# Allegro board T736_DEMO_DBOARD_V0-5-draft.brd (continued)
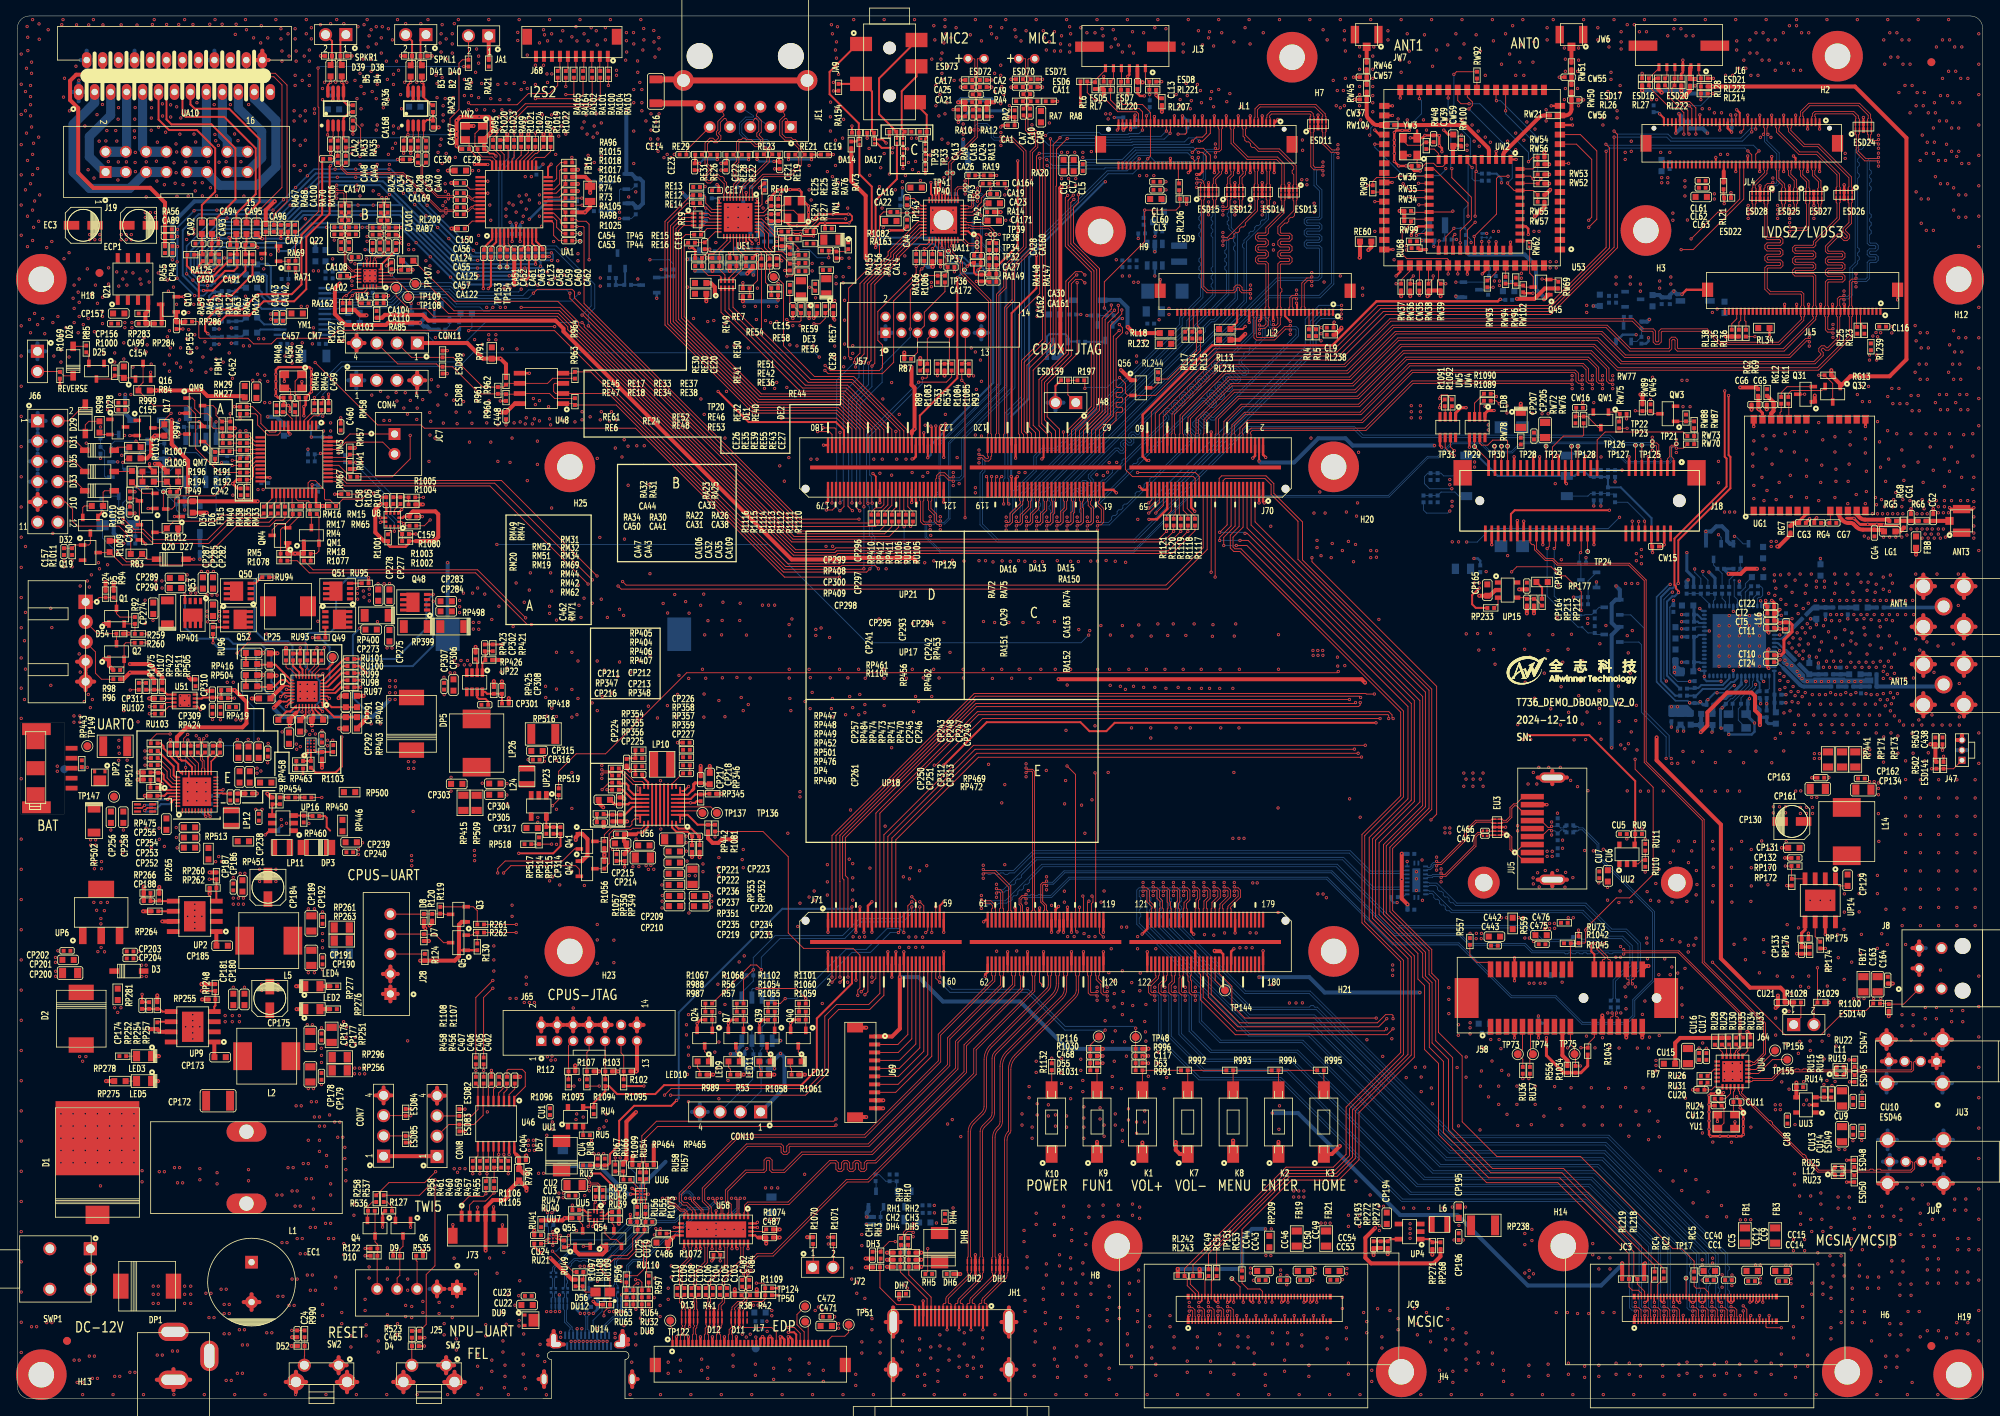
[diagram p0: board, top side]
## Copper pours and planes (outline as drawn; the poured copper is in the pictures) (continued)
VCC-3V3-PCIE on BOTTOM: 191.13,46.53 191.97,46.53 192.05,46.46 192.05,45.03 191.97,44.96 191.11,44.96 191.03,45.03 191.03,46.43
VCC-3V3-PCIE on BOTTOM: 193.14,53.57 194.21,53.57 194.28,53.49 194.28,51.97 194.23,51.92 193.12,51.92 193.04,51.99 193.04,53.47
VCC-3V3-PCIE on L4: 191.62,58.17 191.06,58.72 191.06,61.06 191.82,61.82 217.45,61.82 226.19,70.56 226.19,76.99 224.73,78.45 224.73,80.84 224.98,81.09 228.31,81.09 231.7,77.7 231.7,70.1 219.76,58.17
VCC-3V3-WIFI on TOP: 193.98,149.3 194.06,149.22 194.06,146.08 193.87,145.9 192.66,145.9 192.65,145.91 190,145.91 189.61,146.3 189.61,147.7 189.74,147.83 190.5,147.83 191.97,149.3
VCC-3V3-WIFI on TOP: 179.58,154.69 180.09,154.69 180.21,154.81 180.21,155.96 180.47,156.21 181.99,156.21 182.12,156.34 182.12,157.23 181.99,157.35 179.58,157.35 179.45,157.23 179.45,154.81
VCC-3V3-WIFI on BOTTOM: 185.42,145.41 185.17,145.67 184.91,145.67 184.53,146.05 184.53,147.32 184.66,147.45 191.01,147.45 191.39,147.07 191.39,145.54 191.26,145.41
VCC-3V3-WIFI on L4: 180.59,157.35 181.86,157.35 181.99,157.23 181.99,152.02 185.93,148.08 185.93,146.05 185.8,145.92 184.66,145.92 184.4,146.18 184.4,146.94 180.47,150.88 180.47,157.23
VCC-5V on TOP: 41.05,65.48 44.45,68.88 44.45,72.26 41.78,74.93 41.78,81.15 43.69,83.06 43.69,84.71 44.07,85.09 45.72,85.09 45.97,84.84 45.97,78.74 47.5,77.22 47.62,77.22 50.67,74.17 56.52,74.17 56.64,74.04 56.64,69.85 55.88,69.09 54.23,69.09 47.55,62.41 46.53,62.41 45.42,61.29 45.42,49.71 48.27,46.85 48.27,42.33 45.01,39.07 41.38,39.07 40.84,39.6 40.84,41.78 40.92,41.86 42.72,41.86 42.9,42.04 42.9,45.82 41.05,47.68 41.05,49.4 39.78,50.67 39.78,53.75 41.05,55.02
VCC-5V on TOP: 36.74,161.89 37.39,161.89 37.49,161.79 37.49,149.12 36.42,148.06 36.42,147.85 36.17,147.6 35.69,147.6 35.58,147.71 35.58,148.32 36.66,149.4 36.66,161.81
VCC-5V on TOP: 99.42,6.44 99.42,11.34 99.78,11.7 100.65,11.7 101.23,11.13 101.23,6.45 101.14,6.36 99.49,6.36
VCC-5V on TOP: 215.38,20.92 217.42,20.92 217.55,21.04 217.55,22.64 217.42,22.77 215.38,22.77 215.25,22.64 215.25,21.04
VCC-5V on TOP: 144.1,155.04 144.1,149.8 143.99,149.7 142.89,149.7 142.82,149.76 142.82,155.06 142.86,155.1 144.04,155.1
VCC-5V on TOP: 231.81,51.63 229.77,51.63 229.64,51.5 229.64,49.9 229.77,49.77 231.81,49.77 231.94,49.9 231.94,51.5
VCC-5V on TOP: 158.93,20.54 161.33,20.54 161.46,20.66 161.46,26.15 161.28,26.33 159.75,26.33 158.8,25.37 158.8,20.66
VCC-5V on TOP: 211.25,155.32 212.34,155.32 212.41,155.26 212.41,153.86 212.98,153.29 212.98,150.24 212.85,150.11 211.33,150.11 211.2,150.24 211.2,154.05 211.15,154.1 211.15,155.21
VCC-5V on TOP: 173.63,20.78 173.63,22.24 173.51,22.36 169.89,22.36 169.76,22.24 169.76,20.78 169.89,20.65 173.51,20.65
VCC-5V on TOP: 26.16,88.39 27.3,88.39 27.56,88.65 27.56,89.28 27.18,89.66 27.18,93.73 28.45,95 29.21,95 29.34,95.12 29.34,96.01 29.21,96.14 27.69,96.14 26.04,94.49 26.04,88.52
VCC-5V on TOP: 35.31,137.16 36.45,137.16 36.58,137.03 36.58,135 34.67,133.1 32.13,133.1 31.62,132.59 29.97,132.59 29.84,132.72 29.84,134.11 29.97,134.24 33.78,134.24 35.18,135.64 35.18,137.03
VCC-5V on TOP: 152.88,53.25 152.88,55.63 152.93,55.68 153.7,55.68 153.73,55.64 153.73,51.63 155.31,50.05 161.33,50.05 161.66,49.72 161.66,48.46 161.28,48.08 154.84,48.08 152.54,50.38 152.54,52.91
VCC-5V on BOTTOM: 29.97,133.1 30.99,133.1 31.11,132.97 31.11,130.3 29.34,128.52 29.34,123.55 30.73,122.15 30.73,116.46 29.34,115.06 29.34,95.12 29.21,95 28.45,95 28.32,95.12 28.32,115.82 29.59,117.09 29.59,121.56 28.32,122.83 28.32,129.16 29.84,130.68 29.84,132.97
VCC-5V on BOTTOM: 143.13,149.73 143,149.86 143,152.78 143.13,152.91 144.4,152.91 144.53,152.78 146.18,152.78 147.45,151.51 159,151.51 160.78,153.29 161.8,153.29 161.93,153.16 161.93,150.37 161.8,150.24 144.91,150.24 144.4,149.73
VCC-5V on BOTTOM: 36.79,162.08 39.2,162.08 39.31,161.98 39.31,160.92 39.24,160.86 36.77,160.86 36.68,160.95 36.68,161.96
VCC-5V on BOTTOM: 111.34,25.44 154.47,25.44 167.89,12.01 180.72,12.01 187.41,5.33 218.43,5.33 220.47,7.37 220.47,30.48 232.21,42.21 232.21,51.16 231.72,51.64 229.92,51.64 229.03,50.75 229.03,43.94 215.14,30.05 215.14,10.16 214.55,9.58 192.38,9.58 182.37,19.58 174.5,19.58 162.53,31.55 117.83,31.55 115.42,33.96 100.97,33.96 100.91,34.01 85.19,34.01 77.39,41.81 40.84,41.81 40.74,41.71 40.74,36.75 41.17,36.32 71.6,36.32 79.83,28.09 95.15,28.09 97.36,25.88 97.36,11.94 99.09,10.21 102.62,10.21 104.09,11.68 104.09,25.6 106.3,27.81 110.3,27.81 111.21,26.9 111.21,25.57
VCC-5V on L3: 45.72,84.2 44.07,84.2 42.67,85.6 30.35,85.6 27.69,88.27 26.04,88.27 25.78,88.52 25.78,90.17 25.91,90.3 44.32,90.3 45.85,88.77 45.85,84.33
VCC-5V on L3: 171.4,153.03 171.79,152.64 177.56,152.64 178.94,151.26 199.01,151.26 199.77,152.02 207.39,152.02 208.15,151.26 212.85,151.26 212.98,151.13 212.98,149.35 212.72,149.1 193.42,149.1 192.91,148.59 173.99,148.59 172.34,150.24 154.05,150.24 153.92,150.11 153.92,148.84 151.64,146.56 143.13,146.56 143,146.69 143,152.65 143.26,152.91 145.92,152.91 147.32,151.51 147.96,151.51 148.08,151.64 148.08,152.15 148.97,153.03
VCC-5V on L4: 161.8,56.9 163.09,58.19 163.09,61.75 161.8,63.04 161.8,111.02 162.79,112.01 162.79,115.7 161.8,116.69 161.8,124.54 163.86,126.59 163.86,134.59 163.68,134.77 163.68,138.15 163.4,138.43 163.4,143.69 161.8,145.29 161.8,153.03 161.67,153.16 159,153.16 158.5,152.65 158.5,136.47 159.97,135 159.97,130.58 158.5,129.11 158.5,121.92 157.23,120.65 157.23,116.33 158.5,115.06 158.5,24.89 158.62,24.77 161.67,24.77 161.8,24.89
VCC-5V on L4: 35.42,148.32 36.58,149.48 36.58,161.8 36.7,161.93 37.59,161.93 37.85,161.67 37.85,148.84 36.68,147.68 36.68,135.74 36.36,135.42 35.52,135.42 35.42,135.52
VCC-5V-COD on TOP: 31.62,135.64 34.67,135.64 34.8,135.76 34.8,136.65 34.67,136.78 31.62,136.78 31.5,136.65 31.5,135.76
VCC-5V-HDMI on TOP: 112.8,9.08 112.8,11.66 112.36,12.1 111.76,12.1 111.4,12.46 111.4,12.47 111.06,12.81 111.06,13.4 110.55,13.91 110.55,14.5 110.72,14.67 111.35,14.67 113.13,12.89 113.13,9.09 113.06,9.02 112.86,9.02
VCC-5V-HDMI on BOTTOM: 109.47,19.39 112.89,19.39 113.68,18.61 113.68,18.25 112.56,17.13 112.56,13.58 112.1,13.12 109.84,13.12 109.49,13.47 109.49,17.45 108.74,18.2 108.74,18.66
VCC-5V-ONBOARD on TOP: 41.36,77.57 41.36,72.3 41.17,72.11 39.84,72.11 39.56,72.39 39.56,74.51 38.14,75.93 31.9,75.93 31.37,76.45 31.37,77.47 31.62,77.72 41.21,77.72
VCC-5V-SPA on BOTTOM: 40.01,164.47 40.64,164.47 40.77,164.34 40.77,162.31 41.78,161.29 49.91,161.29 50.04,161.42 50.04,163.83 50.16,163.96 50.8,163.96 51.18,163.58 51.18,160.91 50.42,160.15 40.51,160.15 39.88,160.78 39.88,164.34
VCC-5V-USB on TOP: 194.12,79.65 190.45,79.65 184.68,73.89 181.36,73.89 180.29,72.82 180.29,70.89 179.88,70.48 178.59,70.48 178.18,70.89 178.18,74.3 179.88,76 183.79,76 189.48,81.69 194.96,81.69 201.17,75.48 201.17,68.94 201.02,68.78 199.31,68.78 198.86,69.24 198.86,74.92
VCC-5V-USB on TOP: 222.88,37.06 223.32,36.63 223.32,35.18 223.19,35.05 220.47,35.05 219.96,35.56 219.96,36.93 220.09,37.06
VCC-5V-USB on TOP: 69.48,36.12 66.31,36.12 65.86,36.56 65.86,42.81 66.28,43.23 67.78,43.23 68.07,42.94 68.07,38.44 68.64,37.87 69.47,37.87 69.6,37.74 69.6,36.23
VCC-5V-USB on TOP: 42.47,42.11 40.94,42.11 40.82,42.24 40.82,45.67 40.94,45.8 42.47,45.8 42.6,45.67 42.6,42.24
VCC-5V-USB on BOTTOM: 176.5,68.35 175.77,69.09 126.75,69.09 125.6,67.94 101.9,67.94 81.94,47.98 81.94,42.95 81.14,42.15 40.88,42.15 40.74,42.29 40.74,45.75 40.89,45.9 41.58,45.9 41.88,46.2 41.88,47.17 40.74,48.31 40.74,57.89 41.25,58.39 44.78,58.39 45.34,57.84 45.34,49.89 47.55,47.68 56.77,47.68 61.54,52.45 78.61,52.45 97.03,70.87 125.6,70.87 127.13,72.39 178.21,72.39 178.71,71.88 179.76,71.88 180.9,70.74 180.9,69.01 180.24,68.35
VCC-5V-USB on L4: 188.47,29.06 176.81,40.72 176.81,53.09 179.71,55.98 179.71,68.1 177.83,69.98 177.83,71.2 178.41,71.78 179.83,71.78 181.53,70.08 181.53,54.2 178.94,51.61 178.94,42.21 189.36,31.8 216.13,31.8 219.66,35.33 219.66,36.8 219.96,37.11 221.44,37.11 221.72,36.83 221.72,33.27 217.5,29.06
VCC-12V-PCIE on TOP: 184.02,45.11 184.02,52.32 184.15,52.45 185.04,52.45 185.17,52.58 185.17,58.8 185.67,59.31 187.83,59.31 187.96,59.18 187.96,57.53 186.9,56.48 186.9,44.89 186.79,44.78 184.35,44.78
VCC-12V-PCIE on BOTTOM: 186.21,44.81 186.11,44.7 184.28,44.7 184.07,44.91 184.07,47.55 184.4,47.88 185.93,47.88 186.21,47.6
VCC-DSP-3V3 on TOP: 56.13,153.29 55.5,153.29 55.37,153.42 55.37,154.31 55.5,154.43 58.29,154.43 59.69,153.03 59.69,152.4 59.18,151.89 56.9,151.89 56.39,152.4 56.39,153.03
VCC-DSP-3V3 on TOP: 64.52,153.67 64.77,153.92 64.77,155.07 64.9,155.19 65.2,155.19 65.42,154.98 65.42,153.56 64.52,152.65 63.37,152.65 63.12,152.91 63.12,153.29 63.5,153.67
VCC-DSP-3V3 on BOTTOM: 74.3,143.13 75.44,143.13 75.56,143.26 75.56,144.02 74.8,144.78 74.8,146.18 72.52,148.46 72.52,153.29 72.14,153.67 63.25,153.67 63.12,153.54 63.12,152.65 63.25,152.53 71.25,152.53 71.5,152.27 71.5,147.45 73.28,145.67 73.28,144.15
VCC-DSP-3V3 on L3: 56.77,154.31 64.52,154.31 64.9,153.92 64.9,153.16 64.52,152.78 56.9,152.78 56.64,153.03 56.64,154.18
VCC-IO on TOP: 114.35,140.23 115.54,140.23 115.62,140.16 115.62,139.04 115.52,138.94 114.38,138.94 114.27,139.04 114.27,140.16
VCC-IO on TOP: 115.87,22.89 117.36,22.89 117.49,23.01 117.49,24 117.36,24.13 115.87,24.13 115.75,24 115.75,23.01
VCC-IO on TOP: 107.09,142.77 107.09,142.49 106.58,141.99 106.22,141.99 106.02,142.19 106.02,143.31 106.07,143.36 106.5,143.36
VCC-IO on TOP: 108.23,148.03 109.07,148.03 109.09,148.01 109.09,146.66 108.94,146.51 108.94,146.2 108.69,145.95 108.28,145.95 108.2,146.02 108.2,148.01
VCC-IO on L3: 116.59,132.28 120.09,128.78 120.09,127.74 120.02,127.66 118.75,127.66 118.59,127.81 118.54,127.81 118.41,127.94 115.87,127.94 113.82,130 112.34,130 111.76,130.58 104.34,130.58 104.29,130.63 104.29,132.21 104.37,132.28
VCC-IO on L3: 138.1,59.64 145.16,59.64 149.12,55.68 150.22,55.68 151.46,56.92 152.6,56.92 152.81,56.72 152.81,55.96 152.65,55.8 152.02,55.8 150.8,54.58 148.67,54.58 144.68,58.57 138.35,58.57 138,58.93 138,59.54
VCC-IO on L3: 120.27,114.81 118.75,114.81 117.98,114.05 99.95,114.05 95.12,109.22 64.14,109.22 59.94,105.03 57.91,105.03 57.34,104.46 33.34,104.46 32.89,104.9 29.59,104.9 29.54,104.85 16.33,104.85 10.16,98.68 10.16,92.46 10.54,92.08 11.81,92.08 12.32,92.58 12.32,98.04 17.68,103.4 22.2,103.4 22.56,103.05 25.7,103.05 26.06,103.4 32.74,103.4 33.59,102.55 57.09,102.55 58.42,103.89 60.58,103.89 64.77,108.08 95.76,108.08 100.58,112.9 118.49,112.9 118.87,113.28 120.27,113.28 120.4,113.41 120.4,114.68
VCC-IO on L3: 107.26,142.04 108.84,140.46 114.5,140.46 114.81,140.16 114.81,139.14 114.76,139.09 114.35,139.09 114.15,139.29 107.9,139.29 106.07,141.12 106.07,142.67 106.25,142.85 107.11,142.85 107.26,142.7
VCC-IO on L4: 116.71,22.94 116.66,22.99 116.66,33.66 119.08,36.07 119.08,115.37 118.24,116.2 118.24,123.19 118.87,123.83 118.87,128.4 119,128.52 119.94,128.52 119.99,128.47 119.99,128.09 119.89,127.99 119.89,123.19 119.25,122.56 119.25,116.84 120.17,115.93 120.17,59.92 120.7,59.39 123.52,59.39 124.46,60.33 138.46,60.33 139.22,59.57 139.22,58.93 139.12,58.83 138,58.83 137.54,59.28 125.63,59.28 124.64,58.29 120.6,58.29 120.17,57.86 120.17,35.61 117.73,33.17 117.73,23.01 117.65,22.94
VCC-IO on L4: 103.99,130.71 104.95,130.71 105.08,130.84 105.08,139.22 107.09,141.22 107.09,144.17 107.39,144.48 107.57,144.48 108.86,145.77 108.86,147.19 108.76,147.29 107.72,147.29 107.54,147.12 107.54,145.9 106.1,144.45 106.1,142.14 103.94,139.98 103.94,130.76
VCC-LCD on TOP: 145.52,131.37 146.02,131.88 146.02,133.12 146.15,133.25 147.37,133.25 147.5,133.12 147.5,131.42 144.85,128.77 144.5,128.4 139.98,128.4 139.57,128.8 139.57,131.06 139.88,131.37
VCC-LCD on TOP: 164.47,134.92 164.39,134.85 164.39,132.44 164.31,132.36 161.52,132.36 161.42,132.46 161.42,133.35 161.54,133.48 163.07,133.48 163.09,133.5 163.09,134.55 163.16,134.61 163.16,136.62 163.18,136.64 164.44,136.64 164.47,136.61
VCC-LCD on L3: 163.58,129.01 163.83,129.26 163.83,134.39 163.63,134.59 162.69,134.59 162.53,134.44 162.53,131.57 162.03,131.06 139.95,131.06 139.8,130.91 139.8,129.21 140,129.01
VCC-LCD1 on TOP: 231.78,136.78 233.01,136.78 233.08,136.7 233.08,135.72 233.55,135.25 233.55,132.42 233.15,132.02 230.44,132.02 230.14,132.32 230.14,133.68 230.21,133.76 231.65,133.76 231.72,133.83 231.72,136.72
VCC-LCD1 on BOTTOM: 201.22,101.37 204.57,101.37 212.37,109.17 212.37,126.59 212.34,126.62 212.34,128.14 219.33,135.13 228.73,135.13 231.01,132.84 233.81,132.84 234.19,133.22 234.19,136.53 233.81,136.91 217.04,136.91 209.69,129.55 209.69,109.84 203.58,103.73 201.47,103.73 200.76,103.02 200.76,101.83
VCC-LCD1 on BOTTOM: 93.22,24.77 95.76,24.77 96.01,25.02 96.01,26.54 95.76,26.8 93.22,26.8 92.96,26.54 92.96,25.02
VCC-LCD1 on L3: 92.34,101.69 93.19,102.54 177.09,102.54 178.28,101.35 189.41,101.35 190.6,102.54 203.23,102.54 203.96,101.8 203.96,100.18 203.94,100.15 203.94,98.5 203.53,98.09 192.05,98.09 190.88,96.93 177.98,96.93 176.81,98.09 92.63,98.09 92.34,98.39
VCC-LCD1 on L4: 92.71,25.78 95.5,25.78 95.63,25.91 95.63,29.72 98.17,32.26 98.17,38.61 95.63,41.15 95.63,99.77 95.3,100.1 92.98,100.1 92.58,99.71 92.58,39.88 94.36,38.1 94.36,33.66 92.58,31.88 92.58,25.91
VCC-LCD-EDP on TOP: 90.42,6.45 90.42,8.2 90.59,8.37 92.08,8.37 92.21,8.23 92.21,6.46 92.09,6.34 90.54,6.34
VCC-LCD-EDP on BOTTOM: 93.27,23.83 95.71,23.83 95.91,23.62 95.91,22.17 95.55,21.82 93.62,21.82 93.04,22.4 93.04,23.6
VCC-LCD-EDP on BOTTOM: 91.82,7.52 90.81,7.52 89.69,8.64 89.69,10.08 91.8,12.19 93.47,12.19 93.65,12.01 93.65,11.51 93.47,11.33 92.89,11.33 92.74,11.18 92.74,8.43
VCC-LCD-EDP on L4: 88.32,17.93 81.94,17.93 81.11,18.76 81.11,22.87 82.22,23.98 94.61,23.98 95.66,22.94 95.66,21.95 95.17,21.46 95.17,19.94 95.66,19.46 95.66,13.69 93.41,11.44 90.97,11.44 88.85,13.56 88.85,17.4
VCC-LTE18 on TOP: 191.39,102.87 192.91,102.87 194.31,101.47 194.31,99.57 195.45,98.42 196.98,98.42 197.36,98.04 197.36,97.03 197.1,96.77 195.07,96.77 194.31,97.54 192.28,97.54 191.52,98.3 191.52,101.6 191.26,101.85 191.26,102.74
VCC-LTE18 on TOP: 185.55,122.68 184.91,122.68 184.4,122.17 182.37,122.17 182.12,122.43 182.12,123.7 181.99,123.83 181.74,123.83 181.61,123.7 181.61,122.56 181.36,122.3 178.56,122.3 178.44,122.43 178.44,123.77 178.41,123.8 177.95,123.8 177.93,123.77 177.93,121.28 178.05,121.16 179.71,121.16 179.83,121.03 179.83,119.63 180.21,119.25 180.72,119.25 180.85,119.38 180.85,121.03 181.1,121.28 183.51,121.28 183.64,121.16 183.64,119.89 183.77,119.76 184.02,119.76 185.04,120.78 185.55,120.78 185.67,120.9 185.67,122.56
VCC-LTE18 on BOTTOM: 196.34,96.77 196.34,97.92 196.6,98.17 197.99,98.17 198.12,98.04 198.12,96.65 197.99,96.52 196.6,96.52
VCC-LTE18 on L4: 187.2,122.56 187.32,122.43 187.32,109.73 193.42,103.63 193.42,97.16 193.17,96.9 190.5,96.9 190.12,97.28 190.12,103.25 184.53,108.84 184.53,120.65 183.9,121.28 183.9,122.3 184.15,122.56
VCC-MCU on TOP: 29.21,113.54 29.34,113.67 29.34,114.81 29.67,115.14 30.98,115.14 31.1,115.02 31.1,113.12 30.91,112.93 26.73,112.93 26.66,113 26.66,113.42 26.77,113.54
VCC-MCU on TOP: 27.97,126.11 31.62,126.11 32.75,124.98 32.75,124.27 32.66,124.18 32.05,124.18 31.99,124.12 31.99,123.42 32.16,123.25 33.48,123.25 33.66,123.08 33.66,122.78 33.59,122.72 33.59,121.4 33.55,121.36 33.29,121.36 33.25,121.4 33.25,122.65 33.19,122.72 31.2,122.72 30.73,123.19 30.73,124.71 30.61,124.84 27.97,124.84 27.74,125.07 27.74,125.88
VCC-MCU on TOP: 37.34,122.68 38.23,122.68 38.61,123.06 38.61,124.08 38.73,124.21 39.75,124.21 40.01,123.95 40.01,121.92 40.26,121.67 40.89,121.67 41.02,121.54 41.02,120.78 40.89,120.65 40.01,120.65 39.67,120.32 38.3,120.32 37.25,121.37 37.25,122.59
VCC-MCU on BOTTOM: 29.97,115.04 30.81,115.04 30.86,114.99 30.86,114.25 31.01,114.1 31.01,113.67 30.99,113.64 29.95,113.64 29.9,113.69 29.9,114.96
VCC-MCU on BOTTOM: 12.32,108.46 14.1,108.46 14.22,108.33 14.22,106.81 14.1,106.68 12.32,106.68 12.19,106.81 12.19,108.33
VCC-MCU on BOTTOM: 42.89,111.34 42.89,116.1 42.39,116.6 40.36,116.6 39.9,117.06 39.9,118.71 40.03,118.83 42.51,118.83 43.76,120.09 43.76,128.68 43.51,128.93 40.97,128.93 39.4,127.36 39.4,123.57 38.53,122.71 34.72,122.71 32.23,125.2 31,125.2 30.75,124.94 30.75,122.75 32.3,121.2 32.3,112.7 39.92,105.08 77.27,105.08 77.29,105.11 93.55,105.11 105.82,92.84 160.12,92.84 161.9,94.61 164.97,94.61 180.85,110.49 188.98,110.49 193.04,114.55 193.04,114.94 192.91,115.06 192.02,115.06 188.47,111.51 180.09,111.51 164.31,95.73 161.39,95.73 159.59,93.93 106.54,93.93 93.98,106.49 56.83,106.49 51.02,112.31 50.36,112.31 49,110.95 49,108.55 48.63,108.18 46.05,108.18
VCC-MCU on L3: 12.29,108.41 21.42,108.41 26.59,113.58 28.59,113.58 28.83,113.33 38.73,113.33 39.1,112.97 39.1,111.35 38.85,111.1 27.38,111.1 22.95,106.67 17.11,106.67 16.69,106.25 12.28,106.25 11.81,106.72 11.81,107.92
VCC-MCU on L4: 203.07,126.11 203.45,126.11 203.58,125.98 203.58,125.22 202.06,123.7 198.5,123.7 193.55,118.75 193.55,117.73 193.29,117.47 193.29,114.55 193.04,114.3 192.28,114.3 192.02,114.55 192.02,118.62 197.87,124.46 201.42,124.46
VCC-PE on TOP: 155.82,19.96 157.33,19.96 157.45,20.09 157.45,21.62 157.33,21.74 155.82,21.74 155.69,21.62 155.69,20.09
VCC-PE on L4: 155.83,20.65 157.43,20.65 157.56,20.78 157.56,112.83 156.46,113.92 155.45,113.92 155.07,113.54 155.07,111.38 155.7,110.74 155.7,20.78
VCC-PH on L4: 111.76,129.03 112.6,129.03 112.85,129.29 112.85,132.26 114.2,133.6 114.2,140.97 114.96,141.73 114.96,141.99 114.73,142.21 113.67,142.21 113.39,141.94 113.39,141.2 111.38,139.19 111.38,132.69 111.71,132.36 111.71,129.08
VCC-RTC-IC on BOTTOM: 19.68,112.65 21.34,112.65 22.48,111.51 23.24,111.51 23.37,111.63 23.37,113.67 23.11,113.92 21.97,113.92 21.72,114.17 21.72,115.7 21.59,115.82 20.07,115.82 19.94,115.7 19.94,114.81 19.43,114.3 19.43,112.9
VCC-SYS-5V on TOP: 57,74.19 56.87,74.07 56.87,64.8 57.91,63.75 67.31,63.75 67.56,64.01 67.56,65.53 67.18,65.91 65.79,65.91 65.41,65.53 59.94,65.53 59.61,65.86 59.61,67.69 61.09,69.16 63.73,69.16 63.8,69.24 63.8,69.82 64.16,70.18 64.16,71.81 64.67,72.31 64.67,73.56 64.03,74.19
VCC-SYS-5V on TOP: 38.84,46.08 41.38,46.08 41.58,46.28 41.58,46.84 40.77,47.65 40.77,48.84 40.44,49.17 39.85,49.17 39.78,49.1 39.78,47.9 39.6,47.73 38.84,47.73 38.71,47.6 38.71,46.2
VCC-SYS-5V on TOP: 155.07,53.09 154.05,53.09 153.92,53.21 153.92,55.63 153.8,55.75 153.03,55.75 152.91,55.88 152.91,56.64 153.03,56.77 154.81,56.77 155.19,56.39 155.19,53.21
VCC-SYS-5V on TOP: 25.78,66.8 26.04,67.06 26.04,68.07 25.91,68.2 23.62,68.2 23.5,68.07 23.5,67.02 23.71,66.8
VCC-SYS-5V on BOTTOM: 38.63,46.08 41.27,46.08 41.5,46.3 41.5,47.04 40.94,47.6 38.68,47.6 38.61,47.52 38.61,46.1
VCC-SYS-5V on L3: 154.05,70.61 154.31,70.36 154.31,68.96 153.8,68.45 100.71,68.45 89.92,57.66 79.88,57.66 73.79,63.75 66.04,63.75 65.79,64.01 65.79,65.53 66.04,65.79 75.31,65.79 81.53,59.56 88.65,59.56 99.69,70.61
VCC-SYS-5V on L3: 49.4,68.45 56.39,68.45 56.9,68.96 58.29,68.96 58.55,68.71 58.55,66.55 58.29,66.29 49.28,66.29 49.15,66.42 49.15,68.2
VCC-SYS-5V on L4: 154.94,56.01 152.91,56.01 152.78,56.13 152.78,69.47 152.4,69.85 152.15,69.85 152.02,69.98 152.02,70.48 152.15,70.61 154.18,70.61 154.31,70.48 154.31,59.18 154.05,58.93 154.05,57.53 154.56,57.02 154.81,57.02 155.07,56.77 155.07,56.13
VCC-SYS-5V on L4: 24.21,68.41 41.34,68.41 41.35,68.4 49.83,68.4 50.04,68.2 50.04,65.53 48.26,63.75 42.8,63.75 42.29,63.25 42.29,46.51 41.64,45.86 40.21,45.86 39.67,46.39 39.67,64.02 37.24,66.46 24.37,66.46 23.88,66.95 23.88,68.08
VCCA-DSP-3V3 on BOTTOM: 61.59,146.3 65.53,146.3 68.45,149.22 71.12,149.22 71.37,148.97 71.37,148.46 71.25,148.34 69.6,148.34 65.91,144.65 61.59,144.65 61.47,144.78 61.47,146.18
VCCIO-CAM on TOP: 212.55,12.46 212.55,13.26 212.12,13.69 212.12,17.75 212.24,17.88 213.06,17.88 213.19,17.75 213.19,13.65 212.75,13.21 212.75,12.45 212.72,12.42 212.59,12.42
VCCIO-CAM on TOP: 156.67,12.45 156.67,13.64 156.11,14.2 156.11,19.23 156.31,19.43 157.25,19.43 157.51,19.18 157.51,15.6 157.12,15.21 157.12,13.64 156.87,13.39 156.87,12.45 156.84,12.42 156.69,12.42
VCCIO-CAM on L3: 184.2,17.02 189.66,22.48 196.01,22.48 201.75,16.74 213.59,16.74 213.72,16.87 213.72,20.12 213.59,20.24 205.18,20.24 198.53,26.9 187.15,26.9 183.64,23.39 170.43,23.39 167.28,20.24 154.76,20.24 154.64,20.12 154.64,17.37 154.99,17.02
VCCIO-CODEC on TOP: 109.78,147.19 110.82,147.19 111.12,147.5 111.94,147.5 112.24,147.8 113.92,147.8 113.94,147.83 113.94,148.03 113.92,148.06 109.8,148.06 109.73,147.98 109.73,147.24
VCCIO-WIFI on TOP: 175.06,145.67 177.47,145.67 177.6,145.54 177.6,144.91 177.47,144.78 175.16,144.78 174.97,144.97 174.97,145.58
VCCIO-WIFI on TOP: 187.27,142.75 189.15,142.75 189.23,142.67 189.23,140.39 189.05,140.21 187.27,140.21 187.2,140.28 187.2,142.67
VCCIO-WIFI on BOTTOM: 184.15,152.91 185.04,152.91 185.42,152.53 185.42,152.02 185.67,151.76 189.74,151.76 190.12,151.38 191.01,151.38 191.39,151.76 191.39,152.4 191.64,152.65 192.28,152.65 192.66,152.27 192.66,151 192.02,150.37 184.28,150.37 184.02,150.62 184.02,152.78
VCCIO-WIFI on BOTTOM: 189.13,136.55 188.85,136.27 172.59,136.27 170.69,138.18 170.69,148.97 170.94,149.22 173.48,149.22 173.74,148.97 173.74,148.46 173.61,148.34 172.85,148.34 171.96,147.45 171.96,139.7 173.1,138.56 175.26,138.56 175.39,138.68 175.39,145.29 175.64,145.54 176.78,145.54 177.16,145.16 177.16,138.81 177.67,138.3 178.44,138.3 179.07,137.67 183.01,137.67 184.02,138.68 184.66,138.68 185.8,137.54 186.94,137.54 187.02,137.62 187.02,140.55 186.44,141.13 186.44,141.22 185.04,141.22 184.91,141.35 184.91,143 185.04,143.13 187.96,143.13 189.13,141.96